# Altium PCB 移动无线控制.PcbDoc (part 3 of 4)
Units mil, origin at the board's own origin, x right, y up, seen from the top; angles counter-clockwise.
Board outline 17007.87 x 11459.7 mil, 4 copper layers (Top Layer, GND, S2, Bottom Layer), stack 30.634 mil thick; 703 components, 716 nets, 1756 pads, 483 vias.
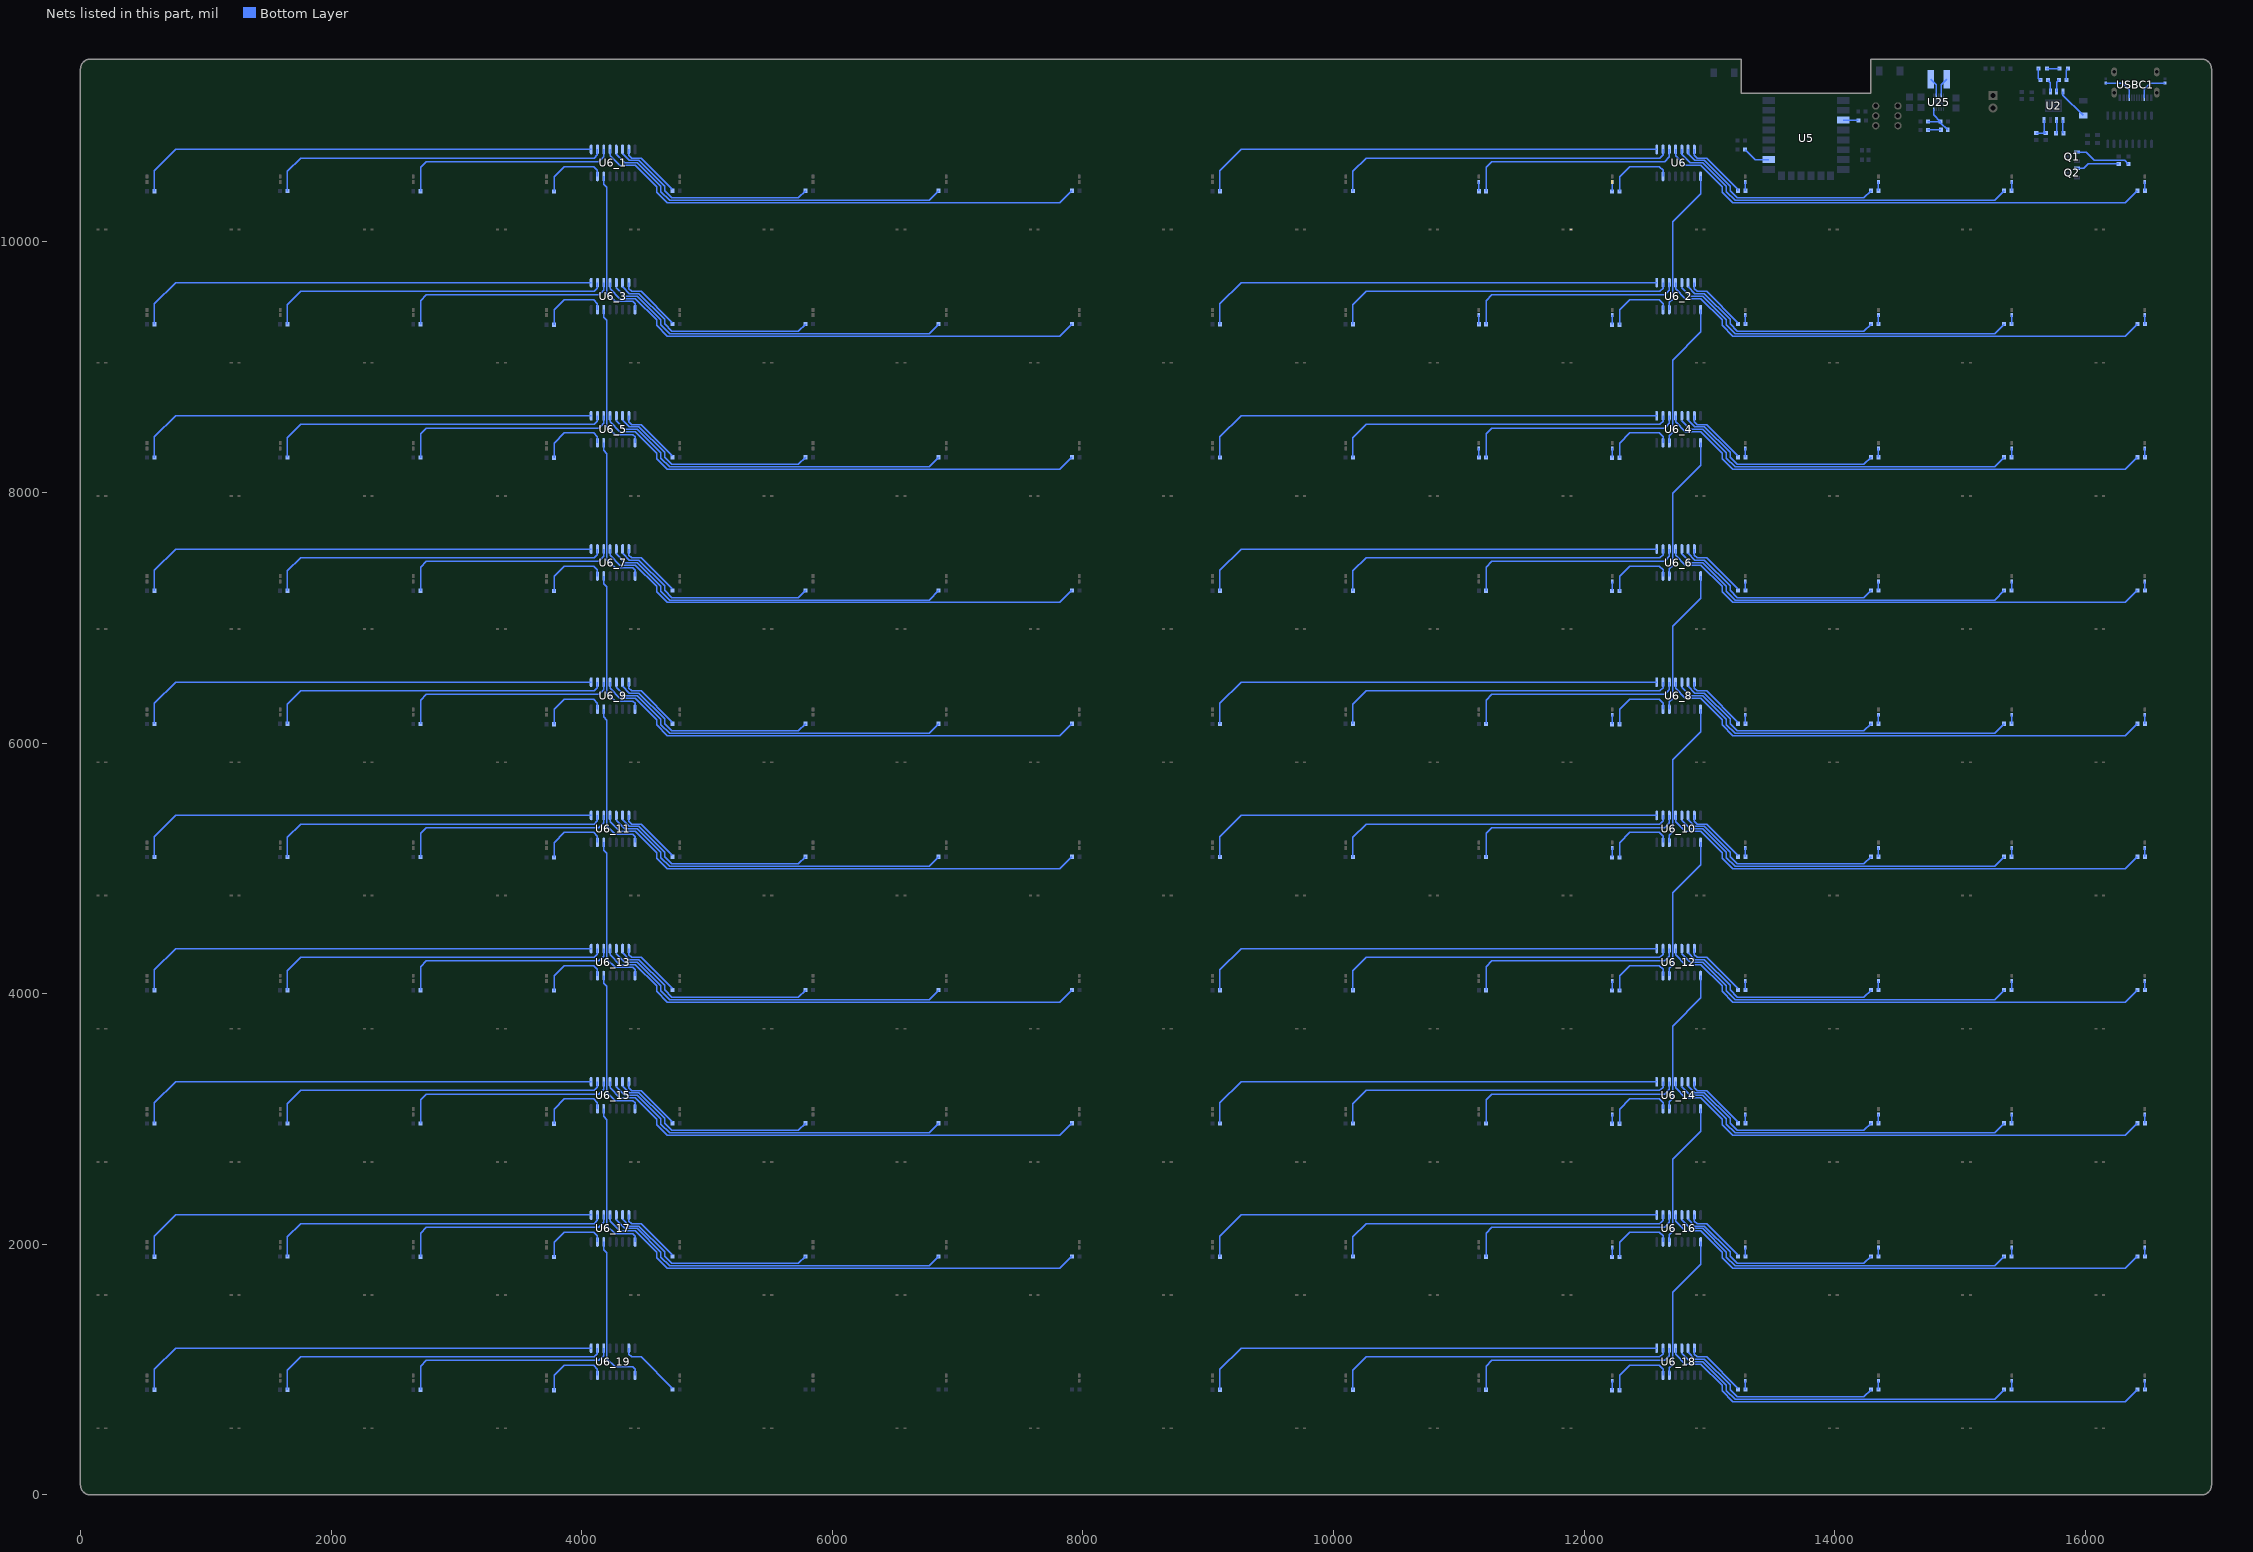
[diagram p5: the nets of this part, all layers, seen from the top]

## Via types
v1: diameter 19.68, hole 11.81, Top Layer to Bottom Layer, tented both sides, 320 vias
v2: diameter 17.72, hole 11.81, Top Layer to Bottom Layer, 146 vias
v3: diameter 19.68, hole 11.81, Top Layer to Bottom Layer, 17 vias

## Nets (pads, with @x,y where several pads share a name; then routed paths per layer and width w, separated by ;. In a path a pad name is that pad's centre, name@x,y a point inside that pad or via, vN(x,y) a via of type N, cw(c..) or ccw(c..) an arc to the next point about the centre after c; other vN are vias at no path point) (continued)
NewNet427: BL3_10.1 BR_6_4.1 | length 70.7
  Bottom Layer w10: BR_6_4.1@11160.92,8281.84 BL3_10.1@11160.92,8352.56
NewNet428: BL2_10.1 BR_6_2.1 | length 70.7
  Bottom Layer w10: BR_6_2.1@11160.92,9344.83 BL2_10.1@11160.92,9415.55
NewNet429: BL1_10.1 BR_6.1 | length 70.7
  Bottom Layer w10: BR_6.1@11160.92,10407.82 BL1_10.1@11160.92,10478.54
NewNet430: BL10_11.1 BR_5_18.1 | length 70.7
  Bottom Layer w10: BR_5_18.1@12223.91,840.89 BL10_11.1@12223.91,911.61
NewNet431: BL9_11.1 BR_5_16.1 | length 70.7
  Bottom Layer w10: BR_5_16.1@12223.91,1903.88 BL9_11.1@12223.91,1974.6
NewNet432: BL8_11.1 BR_5_14.1 | length 70.7
  Bottom Layer w10: BR_5_14.1@12223.91,2966.88 BL8_11.1@12223.91,3037.6
NewNet433: BL7_11.1 BR_5_12.1 | length 70.7
  Bottom Layer w10: BR_5_12.1@12223.91,4029.87 BL7_11.1@12223.91,4100.59
NewNet434: BL6_11.1 BR_5_10.1 | length 70.7
  Bottom Layer w10: BR_5_10.1@12223.91,5092.86 BL6_11.1@12223.91,5163.58
NewNet435: BL5_11.1 BR_5_8.1 | length 70.7
  Bottom Layer w10: BR_5_8.1@12223.91,6155.85 BL5_11.1@12223.91,6226.57
NewNet436: BL4_11.1 BR_5_6.1 | length 70.7
  Bottom Layer w10: BR_5_6.1@12223.91,7218.85 BL4_11.1@12223.91,7289.56
NewNet437: BL3_11.1 BR_5_4.1 | length 70.7
  Bottom Layer w10: BR_5_4.1@12223.91,8281.84 BL3_11.1@12223.91,8352.56
NewNet438: BL2_11.1 BR_5_2.1 | length 70.7
  Bottom Layer w10: BR_5_2.1@12223.91,9344.83 BL2_11.1@12223.91,9415.55
NewNet439: BL1_11.1 BR_5.1 | length 70.7
  Bottom Layer w10: BR_5.1@12223.91,10407.82 BL1_11.1@12223.91,10478.54
NewNet440: BL10_12.1 BR_4_18.1 | length 70.7
  Bottom Layer w10: BR_4_18.1@13286.91,840.89 BL10_12.1@13286.91,911.61
NewNet441: BL9_12.1 BR_4_16.1 | length 70.7
  Bottom Layer w10: BR_4_16.1@13286.91,1903.88 BL9_12.1@13286.91,1974.6
NewNet442: BL8_12.1 BR_4_14.1 | length 70.7
  Bottom Layer w10: BR_4_14.1@13286.91,2966.88 BL8_12.1@13286.91,3037.6
NewNet443: BL7_12.1 BR_4_12.1 | length 70.7
  Bottom Layer w10: BR_4_12.1@13286.91,4029.87 BL7_12.1@13286.91,4100.59
NewNet444: BL6_12.1 BR_4_10.1 | length 70.7
  Bottom Layer w10: BR_4_10.1@13286.91,5092.86 BL6_12.1@13286.91,5163.58
NewNet445: BL5_12.1 BR_4_8.1 | length 70.7
  Bottom Layer w10: BR_4_8.1@13286.91,6155.85 BL5_12.1@13286.91,6226.57
NewNet446: BL4_12.1 BR_4_6.1 | length 70.7
  Bottom Layer w10: BR_4_6.1@13286.91,7218.85 BL4_12.1@13286.91,7289.56
NewNet447: BL3_12.1 BR_4_4.1 | length 70.7
  Bottom Layer w10: BR_4_4.1@13286.91,8281.84 BL3_12.1@13286.91,8352.56
NewNet448: BL2_12.1 BR_4_2.1 | length 70.7
  Bottom Layer w10: BR_4_2.1@13286.91,9344.83 BL2_12.1@13286.91,9415.55
NewNet449: BL1_12.1 BR_4.1 | length 70.7
  Bottom Layer w10: BR_4.1@13286.91,10407.82 BL1_12.1@13286.91,10478.54
NewNet450: BL10_13.1 BR_3_18.1 | length 70.7
  Bottom Layer w10: BR_3_18.1@14349.9,840.89 BL10_13.1@14349.9,911.61
NewNet451: BL9_13.1 BR_3_16.1 | length 70.7
  Bottom Layer w10: BR_3_16.1@14349.9,1903.88 BL9_13.1@14349.9,1974.6
NewNet452: BL8_13.1 BR_3_14.1 | length 70.7
  Bottom Layer w10: BR_3_14.1@14349.9,2966.88 BL8_13.1@14349.9,3037.6
NewNet453: BL7_13.1 BR_3_12.1 | length 70.7
  Bottom Layer w10: BR_3_12.1@14349.9,4029.87 BL7_13.1@14349.9,4100.59
NewNet454: BL6_13.1 BR_3_10.1 | length 70.7
  Bottom Layer w10: BR_3_10.1@14349.9,5092.86 BL6_13.1@14349.9,5163.58
NewNet455: BL5_13.1 BR_3_8.1 | length 70.7
  Bottom Layer w10: BR_3_8.1@14349.9,6155.85 BL5_13.1@14349.9,6226.57
NewNet456: BL4_13.1 BR_3_6.1 | length 70.7
  Bottom Layer w10: BR_3_6.1@14349.9,7218.85 BL4_13.1@14349.9,7289.56
NewNet457: BL3_13.1 BR_3_4.1 | length 70.7
  Bottom Layer w10: BR_3_4.1@14349.9,8281.84 BL3_13.1@14349.9,8352.56
NewNet458: BL2_13.1 BR_3_2.1 | length 70.7
  Bottom Layer w10: BR_3_2.1@14349.9,9344.83 BL2_13.1@14349.9,9415.55
NewNet459: BL1_13.1 BR_3.1 | length 70.7
  Bottom Layer w10: BR_3.1@14349.9,10407.82 BL1_13.1@14349.9,10478.54
NewNet460: BL10_14.1 BR_2_18.1 | length 70.7
  Bottom Layer w10: BR_2_18.1@15412.89,840.89 BL10_14.1@15412.89,911.61
NewNet461: BL9_14.1 BR_2_16.1 | length 70.7
  Bottom Layer w10: BR_2_16.1@15412.89,1903.88 BL9_14.1@15412.89,1974.6
NewNet462: BL8_14.1 BR_2_14.1 | length 70.7
  Bottom Layer w10: BR_2_14.1@15412.89,2966.88 BL8_14.1@15412.89,3037.6
NewNet463: BL7_14.1 BR_2_12.1 | length 70.7
  Bottom Layer w10: BR_2_12.1@15412.89,4029.87 BL7_14.1@15412.89,4100.59
NewNet464: BL6_14.1 BR_2_10.1 | length 70.7
  Bottom Layer w10: BR_2_10.1@15412.89,5092.86 BL6_14.1@15412.89,5163.58
NewNet465: BL5_14.1 BR_2_8.1 | length 70.7
  Bottom Layer w10: BR_2_8.1@15412.89,6155.85 BL5_14.1@15412.89,6226.57
NewNet466: BL4_14.1 BR_2_6.1 | length 70.7
  Bottom Layer w10: BR_2_6.1@15412.89,7218.85 BL4_14.1@15412.89,7289.56
NewNet467: BL3_14.1 BR_2_4.1 | length 70.7
  Bottom Layer w10: BR_2_4.1@15412.89,8281.84 BL3_14.1@15412.89,8352.56
NewNet468: BL2_14.1 BR_2_2.1 | length 70.7
  Bottom Layer w10: BR_2_2.1@15412.89,9344.83 BL2_14.1@15412.89,9415.55
NewNet469: BL1_14.1 BR_2.1 | length 70.7
  Bottom Layer w10: BR_2.1@15412.89,10407.82 BL1_14.1@15412.89,10478.54
NewNet470: BL10_15.1 BR_1_18.1 | length 70.7
  Bottom Layer w10: BR_1_18.1@16475.88,840.89 BL10_15.1@16475.88,911.61
NewNet471: BL9_15.1 BR_1_16.1 | length 70.7
  Bottom Layer w10: BR_1_16.1@16475.88,1903.88 BL9_15.1@16475.88,1974.6
NewNet472: BL8_15.1 BR_1_14.1 | length 70.7
  Bottom Layer w10: BR_1_14.1@16475.88,2966.88 BL8_15.1@16475.88,3037.6
NewNet473: BL7_15.1 BR_1_12.1 | length 70.7
  Bottom Layer w10: BR_1_12.1@16475.88,4029.87 BL7_15.1@16475.88,4100.59
NewNet474: BL6_15.1 BR_1_10.1 | length 70.7
  Bottom Layer w10: BR_1_10.1@16475.88,5092.86 BL6_15.1@16475.88,5163.58
NewNet475: BL5_15.1 BR_1_8.1 | length 70.7
  Bottom Layer w10: BR_1_8.1@16475.88,6155.85 BL5_15.1@16475.88,6226.57
NewNet476: BL4_15.1 BR_1_6.1 | length 70.7
  Bottom Layer w10: BR_1_6.1@16475.88,7218.85 BL4_15.1@16475.88,7289.56
NewNet477: BL3_15.1 BR_1_4.1 | length 70.7
  Bottom Layer w10: BR_1_4.1@16475.88,8281.84 BL3_15.1@16475.88,8352.56
NewNet478: BL2_15.1 BR_1_2.1 | length 70.7
  Bottom Layer w10: BR_1_2.1@16475.88,9344.83 BL2_15.1@16475.88,9415.55
NewNet479: BL1_15.1 BR_1.1 | length 70.9
  Bottom Layer w10: BR_1.1@16475.76,10407.7 16475.88,10407.82 BL1_15.1@16475.88,10478.54
NewNet480: R7.1 U2.1 | length 105.5
  Bottom Layer w10: U2.1@15822,10971.7 15822,10873.36 R7.1@15827.06,10868.3
NewNet481: R7.2 U2.2 | length 105.2
  Bottom Layer w10: R7.2@15767.74,10868.3 15772,10872.56 U2.2@15772,10971.7
NewNet482: C4.2 C14.2 U2.4 | length 182.5
  Bottom Layer w10: C4.2@15608.9,10867.82 15609.74,10868.66 C14.2@15683.3,10868.66 15672,10879.96 U2.4@15672,10971.7
NewNet483: R6.1 U2.6 | length 99.5
  Bottom Layer w10: R6.1@15702.26,11292 15722,11272.26 U2.6@15722,11200.7
NewNet484: R5.1 U2.7 | length 99.2
  Bottom Layer w10: U2.7@15772,11200.7 15772,11275.56 R5.1@15789.24,11292.8
NewNet485: R4.2 U2.8 | length 256.9
  Bottom Layer w10: U2.8@15822,11200.7 15822,11170.9 R4.2@15982.6,11010.3
NewNet486: LED1.2 R5.2 | length 96.3
  Bottom Layer w10: R5.2@15848.56,11292.8 15848.56,11371.06 LED1.2@15861.3,11383.8
NewNet487: LED2.2 R6.2 | length 100.1
  Bottom Layer w10: LED2.2@15626.6,11385.3 15626.6,11308.34 R6.2@15642.94,11292
NewNet488: LED1.1 LED2.1 | length 101.3
  Bottom Layer w10: LED2.1@15693.6,11385.3 15695.1,11383.8 LED1.1@15794.3,11383.8
NewNet489: R9.2 USBC1.B5 | length 256.2
  Bottom Layer w10: USBC1.B5@16469.7,11150 16469.7,11219.7 16517.56,11267.56 R9.2@16636.4,11267.56
NewNet490: R10.1 USBC1.A5 | length 275
  Bottom Layer w10: R10.1@16163,11267.56 16298.44,11267.56 16351.6,11214.4 USBC1.A5@16351.6,11150
NewNet491: L1.2 U25.2 | length 145.3
  Bottom Layer w10: L1.2@14767.2,11297.5 14810.1,11254.6 U25.2@14810.1,11170
NewNet492: L1.1 U25.4 | length 145.6
  Bottom Layer w10: U25.4@14849.5,11170 14849.5,11253.8 L1.1@14893.2,11297.5
NewNet493: C2.1 R1.1 R3.2 U25.10 | length 312.4
  Bottom Layer w10: R1.1@14743.68,10960.42 R3.2@14844.36,10960.42 ; U25.10@14790.4,11059.18 14790.4,11014.38 R3.2@14844.36,10960.42 ; C2.1@14902.58,10893.91 14844.36,10952.13 R3.2@14844.36,10960.42
NewNet494: C2.2 R2.1 | length 102.6
  Bottom Layer w10: R2.1@14744.89,10893.91 C2.2@14847.46,10893.91
NewNet495: Q2.1 R17.2 | length 347.6
  Bottom Layer w10: Q2.1@15933.97,10587.7 15986.7,10587.7 16022.44,10623.44 R17.2@16266.8,10623.44
NewNet496: Q1.1 R8.2 | length 450.2
  Bottom Layer w10: Q1.1@15934.67,10717.7 16008.2,10717.7 16072.9,10653 16314.24,10653 R8.2@16345.2,10622.04
NewNet497: D1_11.2 FL1_11.2
NewNet498: R13.2 U5.10 | length 223.5
  Bottom Layer w10: R13.2@13285.26,10737.2 13367.1,10655.36 13472.26,10655.36 U5.10@13474.1,10657.2
NewNet499: R12.2 U5.3 | length 121.2
  Bottom Layer w10: U5.3@14068.7,10972.1 14070.7,10970.1 R12.2@14189.04,10970.1
NewNet500: BR_8.2 U6.1 | length 3720.1
  Bottom Layer w10: BR_8.2@9093.86,10405.5 9093.86,10569.46 9262.7,10738.3 U6.1@12580.1,10738.3
NewNet501: BR_7.2 U6.2 | length 2730.8
  Bottom Layer w10: BR_7.2@10154.86,10406 10154.86,10563.36 10261.1,10669.6 12605.4,10669.6 12630.1,10694.3 U6.2@12630.1,10738.3
NewNet502: BR_6.2 U6.3 | length 1744.5
  Bottom Layer w10: BR_6.2@11219.06,10405.5 11219.06,10594.36 11265.3,10640.6 12642.1,10640.6 12680.1,10678.6 U6.3@12680.1,10738.3
NewNet503: BR_1.2 U6.4 | length 3956.9
  Bottom Layer w10: U6.4@12730.1,10738.3 12730.1,10689.3 12808.8,10610.6 12932.6,10610.6 13102.8,10440.4 13102.8,10397.3 13188.6,10311.5 16320.24,10311.5 BR_1.2@16416.44,10407.7
NewNet504: BR_2.2 U6.5 | length 2821.6
  Bottom Layer w10: U6.5@12780.1,10738.3 12780.1,10698.8 12848.3,10630.6 12948.1,10630.6 13136,10442.7 13136,10400.3 13205,10331.3 15277.05,10331.3 BR_2.2@15353.45,10407.7
NewNet505: BR_3.2 U6.6 | length 1686.3
  Bottom Layer w10: U6.6@12830.1,10738.3 12830.1,10704.2 12884.1,10650.2 12961.2,10650.2 13165.5,10445.9 13165.5,10408.3 13222.8,10351 14233.76,10351 BR_3.2@14290.46,10407.7
NewNet506: BR_4.2 U6.7 | length 519.6
  Bottom Layer w10: U6.7@12880.1,10738.3 12880.1,10690 12901.7,10668.4 12978.8,10668.4 13227.46,10419.74 BR_4.2@13227.46,10407.7
NewNet507: BR_5.2 U6.15 | length 558.4
  Bottom Layer w10: BR_5.2@12284.16,10403 12284.16,10520.56 12365.5,10601.9 12599.7,10601.9 12630.1,10571.5 U6.15@12630.1,10522.9
NewNet508: BR_8_1.2 U6_1.1 | length 3720.1
  Bottom Layer w10: BR_8_1.2@589.92,10405.5 589.92,10569.46 758.76,10738.3 U6_1.1@4076.16,10738.3
NewNet509: BR_7_1.2 U6_1.2 | length 2730.8
  Bottom Layer w10: BR_7_1.2@1650.92,10406 1650.92,10563.36 1757.16,10669.6 4101.46,10669.6 4126.16,10694.3 U6_1.2@4126.16,10738.3
NewNet510: BR_6_1.2 U6_1.3 | length 1744.5
  Bottom Layer w10: BR_6_1.2@2715.12,10405.5 2715.12,10594.36 2761.36,10640.6 4138.16,10640.6 4176.16,10678.6 U6_1.3@4176.16,10738.3
NewNet511: BR_5_1.2 U6_1.15 | length 558.4
  Bottom Layer w10: BR_5_1.2@3780.22,10403 3780.22,10520.56 3861.56,10601.9 4095.76,10601.9 4126.16,10571.5 U6_1.15@4126.16,10522.9
NewNet512: BR_4_1.2 U6_1.7 | length 507.6
  Bottom Layer w10: U6_1.7@4376.16,10738.3 4376.16,10690 4397.76,10668.4 4474.86,10668.4 BR_4_1.2@4723.53,10419.74
NewNet513: BR_3_1.2 U6_1.6 | length 1652.2
  Bottom Layer w10: U6_1.6@4326.16,10704.2 4380.16,10650.2 4457.26,10650.2 4661.56,10445.9 4661.56,10408.3 4718.86,10351 5729.82,10351 BR_3_1.2@5786.52,10407.7
NewNet514: BR_2_1.2 U6_1.5 | length 2782.1
  Bottom Layer w10: 4276.16,10698.8 4344.36,10630.6 4444.16,10630.6 4632.06,10442.7 4632.06,10400.3 4701.06,10331.3 6773.11,10331.3 BR_2_1.2@6849.51,10407.7
NewNet515: BR_1_1.2 U6_1.4 | length 3956.9
  Bottom Layer w10: U6_1.4@4226.16,10738.3 4226.16,10689.3 4304.86,10610.6 4428.66,10610.6 4598.86,10440.4 4598.86,10397.3 4684.66,10311.5 7816.3,10311.5 BR_1_1.2@7912.5,10407.7
NewNet516: 
NewNet517: U6_1.14 U6_3.9 | length 1248.5
  Bottom Layer w10: U6_1.14@4176.16,10522.9 4176.16,10461.97 4201.7,10436.44 4201.7,9591.24 4267.9,9525.04 4407.8,9525.04 4426.16,9506.67 U6_3.9@4426.16,9459.91
NewNet518: BR_8_2.2 U6_2.1 | length 3720.1
  Bottom Layer w10: BR_8_2.2@9093.86,9342.51 9093.86,9506.47 9262.7,9675.31 U6_2.1@12580.1,9675.31
NewNet519: BR_7_2.2 U6_2.2 | length 2730.8
  Bottom Layer w10: BR_7_2.2@10154.86,9343.01 10154.86,9500.37 10261.1,9606.61 12605.4,9606.61 12630.1,9631.31 U6_2.2@12630.1,9675.31
NewNet520: BR_6_2.2 U6_2.3 | length 1744.5
  Bottom Layer w10: BR_6_2.2@11219.06,9342.51 11219.06,9531.37 11265.3,9577.61 12642.1,9577.61 12680.1,9615.61 U6_2.3@12680.1,9675.31
NewNet521: BR_5_2.2 U6_2.15 | length 558.4
  Bottom Layer w10: BR_5_2.2@12284.16,9340.01 12284.16,9457.57 12365.5,9538.91 12599.7,9538.91 12630.1,9508.51 U6_2.15@12630.1,9459.91
NewNet522: BR_4_2.2 U6_2.7 | length 507.6
  Bottom Layer w10: U6_2.7@12880.1,9675.31 12880.1,9627.01 12901.7,9605.41 12978.8,9605.41 BR_4_2.2@13227.46,9356.74
NewNet523: BR_3_2.2 U6_2.6 | length 1652.2
  Bottom Layer w10: U6_2.6@12830.1,9641.21 12884.1,9587.21 12961.2,9587.21 13165.5,9382.91 13165.5,9345.31 13222.8,9288.01 14233.76,9288.01 BR_3_2.2@14290.46,9344.71
NewNet524: BR_2_2.2 U6_2.5 | length 2782.1
  Bottom Layer w10: 12780.1,9635.81 12848.3,9567.61 12948.1,9567.61 13136,9379.71 13136,9337.31 13205,9268.31 15277.05,9268.31 BR_2_2.2@15353.45,9344.71
NewNet525: BR_1_2.2 U6_2.4 | length 3956.9
  Bottom Layer w10: U6_2.4@12730.1,9675.31 12730.1,9626.31 12808.8,9547.61 12932.6,9547.61 13102.8,9377.41 13102.8,9334.31 13188.6,9248.51 16320.24,9248.51 BR_1_2.2@16416.44,9344.71
NewNet526: 
NewNet527: U6.9 U6_2.14 | length 1166.5
  Bottom Layer w10: U6_2.14@12680.1,9459.91 12680.1,9517.6 12706.1,9543.6 ; 12706,9543.7 12706,10161.4 12930.1,10385.5 U6.9@12930.1,10522.9
NewNet528: U6_2.9 U6_4.14 | length 1166.5
  Bottom Layer w10: U6_4.14@12680.1,8396.92 12680.1,8454.61 12706.1,8480.61 12706.1,9057.41 12930.1,9281.41 U6_2.9@12930.1,9459.91
NewNet529: BR_8_3.2 U6_3.1 | length 3720.1
  Bottom Layer w10: BR_8_3.2@589.92,9342.51 589.92,9506.47 758.76,9675.31 U6_3.1@4076.16,9675.31
NewNet530: BR_7_3.2 U6_3.2 | length 2730.8
  Bottom Layer w10: BR_7_3.2@1650.92,9343.01 1650.92,9500.37 1757.16,9606.61 4101.46,9606.61 4126.16,9631.31 U6_3.2@4126.16,9675.31
NewNet531: BR_6_3.2 U6_3.3 | length 1744.5
  Bottom Layer w10: BR_6_3.2@2715.12,9342.51 2715.12,9531.37 2761.36,9577.61 4138.16,9577.61 4176.16,9615.61 U6_3.3@4176.16,9675.31
NewNet532: BR_5_3.2 U6_3.15 | length 558.4
  Bottom Layer w10: BR_5_3.2@3780.22,9340.01 3780.22,9457.57 3861.56,9538.91 4095.76,9538.91 4126.16,9508.51 U6_3.15@4126.16,9459.91
NewNet533: BR_4_3.2 U6_3.7 | length 507.6
  Bottom Layer w10: U6_3.7@4376.16,9675.31 4376.16,9627.01 4397.76,9605.41 4474.86,9605.41 BR_4_3.2@4723.53,9356.74
NewNet534: BR_3_3.2 U6_3.6 | length 1652.2
  Bottom Layer w10: U6_3.6@4326.16,9641.21 4380.16,9587.21 4457.26,9587.21 4661.56,9382.91 4661.56,9345.31 4718.86,9288.01 5729.82,9288.01 BR_3_3.2@5786.52,9344.71
NewNet535: BR_2_3.2 U6_3.5 | length 2782.1
  Bottom Layer w10: 4276.16,9635.81 4344.36,9567.61 4444.16,9567.61 4632.06,9379.71 4632.06,9337.31 4701.06,9268.31 6773.11,9268.31 BR_2_3.2@6849.51,9344.71
NewNet536: BR_1_3.2 U6_3.4 | length 3956.9
  Bottom Layer w10: U6_3.4@4226.16,9675.31 4226.16,9626.31 4304.86,9547.61 4428.66,9547.61 4598.86,9377.41 4598.86,9334.31 4684.66,9248.51 7816.3,9248.51 BR_1_3.2@7912.5,9344.71
NewNet537: 
NewNet538: U6_3.14 U6_5.9 | length 1248.5
  Bottom Layer w10: U6_3.14@4176.16,9459.91 4176.16,9398.98 4201.7,9373.44 4201.7,8528.24 4267.9,8462.04 4407.8,8462.04 4426.16,8443.68 U6_5.9@4426.16,8396.92
NewNet539: BR_8_4.2 U6_4.1 | length 3720.1
  Bottom Layer w10: BR_8_4.2@9093.86,8279.52 9093.86,8443.48 9262.7,8612.32 U6_4.1@12580.1,8612.32
NewNet540: BR_7_4.2 U6_4.2 | length 2730.8
  Bottom Layer w10: BR_7_4.2@10154.86,8280.02 10154.86,8437.38 10261.1,8543.62 12605.4,8543.62 12630.1,8568.32 U6_4.2@12630.1,8612.32
NewNet541: BR_6_4.2 U6_4.3 | length 1744.5
  Bottom Layer w10: BR_6_4.2@11219.06,8279.52 11219.06,8468.38 11265.3,8514.62 12642.1,8514.62 12680.1,8552.62 U6_4.3@12680.1,8612.32
NewNet542: BR_5_4.2 U6_4.15 | length 558.4
  Bottom Layer w10: BR_5_4.2@12284.16,8277.02 12284.16,8394.58 12365.5,8475.92 12599.7,8475.92 12630.1,8445.52 U6_4.15@12630.1,8396.92
NewNet543: BR_4_4.2 U6_4.7 | length 507.6
  Bottom Layer w10: U6_4.7@12880.1,8612.32 12880.1,8564.02 12901.7,8542.42 12978.8,8542.42 BR_4_4.2@13227.46,8293.75
NewNet544: BR_3_4.2 U6_4.6 | length 1652.2
  Bottom Layer w10: U6_4.6@12830.1,8578.22 12884.1,8524.22 12961.2,8524.22 13165.5,8319.92 13165.5,8282.32 13222.8,8225.02 14233.76,8225.02 BR_3_4.2@14290.46,8281.72
NewNet545: BR_2_4.2 U6_4.5 | length 2782.1
  Bottom Layer w10: 12780.1,8572.82 12848.3,8504.62 12948.1,8504.62 13136,8316.72 13136,8274.32 13205,8205.32 15277.05,8205.32 BR_2_4.2@15353.45,8281.72
NewNet546: BR_1_4.2 U6_4.4 | length 3956.9
  Bottom Layer w10: U6_4.4@12730.1,8612.32 12730.1,8563.32 12808.8,8484.62 12932.6,8484.62 13102.8,8314.42 13102.8,8271.32 13188.6,8185.52 16320.24,8185.52 BR_1_4.2@16416.44,8281.72